# Altium PCB TFT_BORAD.PcbDoc
Units mil, origin at the board's own origin, x right, y up, seen from the top; angles counter-clockwise.
Board outline 3385.83 x 1409.45 mil, 2 copper layers (Top Layer, Bottom Layer), stack 57.918 mil thick; 35 components, 37 nets, 157 pads, 45 vias.
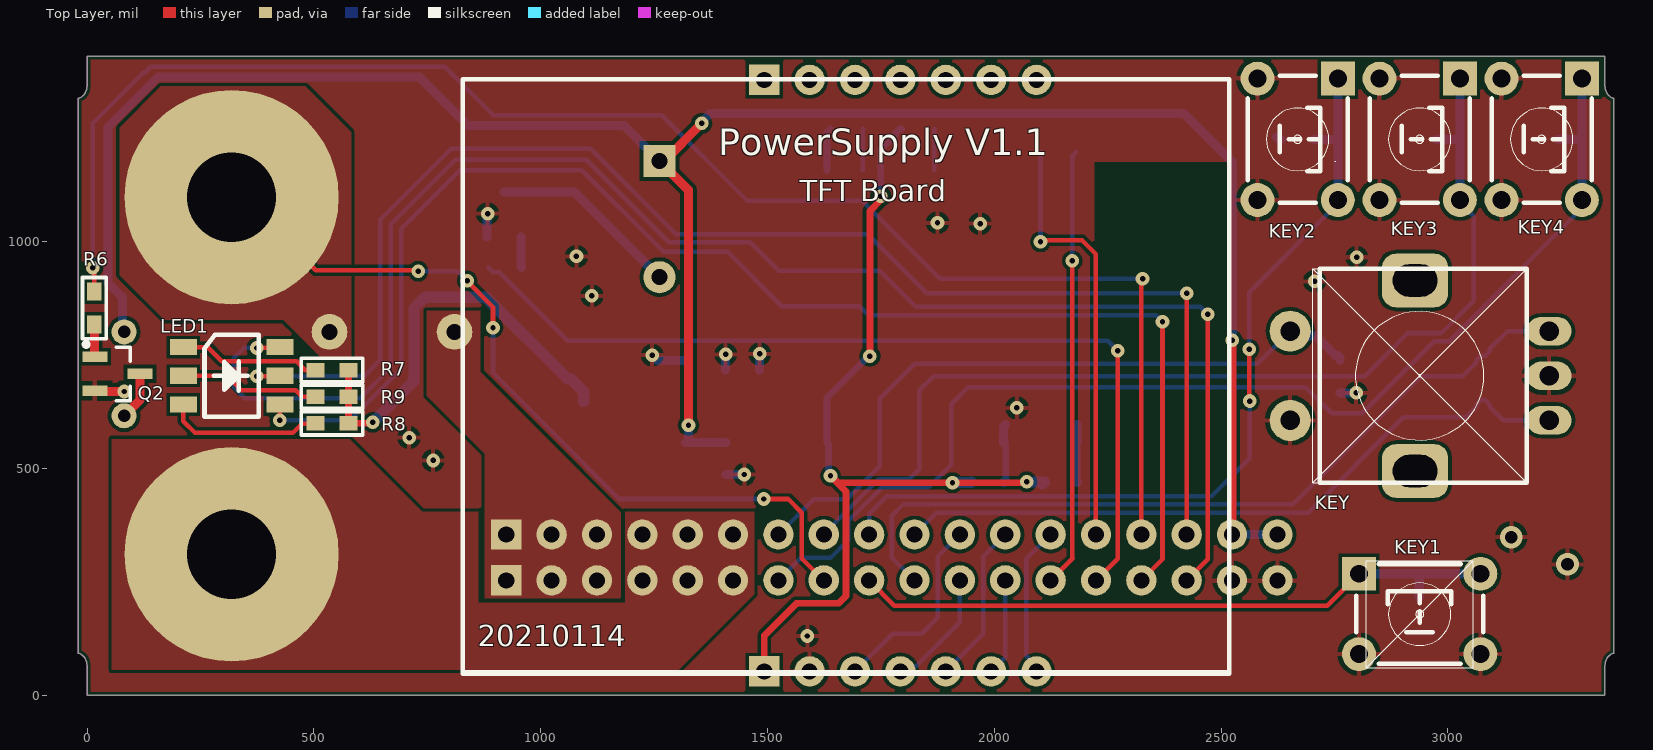
[diagram p0: Top Layer view]
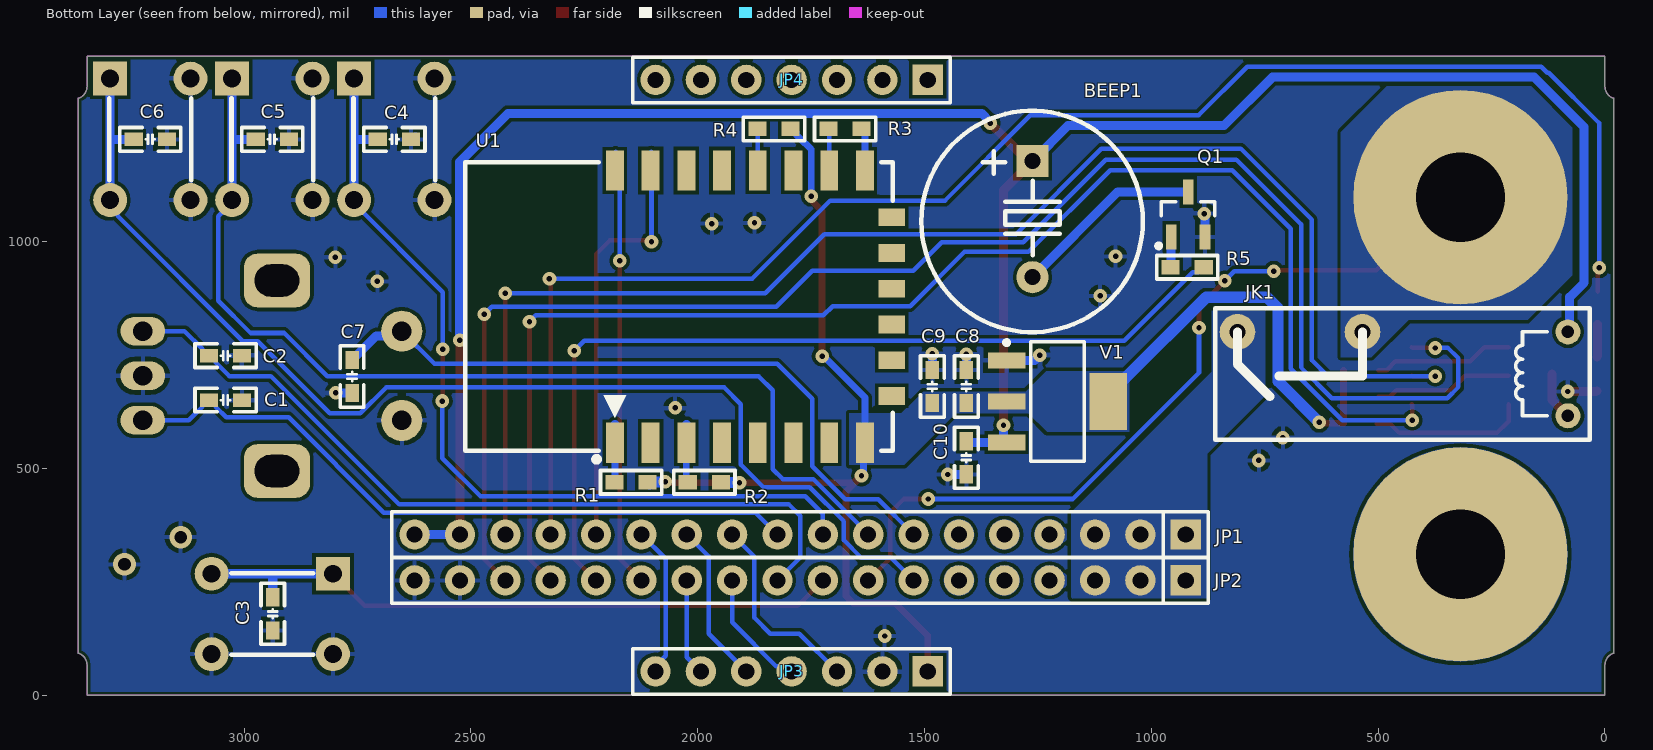
[diagram p1: Bottom Layer view, seen from below]

## Layer stack, top to bottom
Top Solder: solder mask 0.4, Solder Resist, Dk 3.5
Top Layer: signal copper 1.4
Dielectric 1: dielectric 55.1181, FR-4, Dk 4.8
Bottom Layer: signal copper 1.4
Bottom Solder: solder mask 0.4, Solder Resist, Dk 3.5

## Board outline
0,0 0,66.84 ccw(c-27.56,66.84) -19.69,93.25 -19.69,1316.19 ccw(c-27.56,1342.6) 0,1342.6 0,1409.45 3346.46,1409.45 3346.46,1342.6 ccw(c3374.02,1342.6) 3366.14,1316.19 3366.14,93.25 ccw(c3374.02,66.84) 3346.46,66.84 3346.46,0

## Design rules (kind name [scope] priority, off if disabled: settings)
Clearance [All] p1: gap=8 ignorepadtopadclearanceinfootprint=FALSE
ComponentClearance [All] p1 off: gap=10 collisioncheckmode=3 verticalgap=10 showdistances=FALSE
Height [All] p1 off: minheight=0 maxheight=1000 prefheight=500
HoleSize [All] p1 off: absolutevalues=TRUE maxlimit=100 minlimit=1 maxpercent=80.000 minpercent=20.000
HoleToHoleClearance [All] p1 off: gap=10 allowstackedmicrovias=TRUE
LayerPairs [All] p1 off: enforce=TRUE
MinimumSolderMaskSliver [All] p1 off: minsoldermaskwidth=10
NetAntennae [All] p1 off: netantennaetolerance=0
PolygonConnect BIGPAD [InNetClass('BIGPAD')] p1: connectstyle=Direct reliefconductorwidth=10 reliefentries=4 polygonreliefangle="90 Angle" airgapwidth=10
PolygonConnect [All] p2: connectstyle=Relief reliefconductorwidth=10 reliefentries=4 polygonreliefangle="90 Angle" airgapwidth=10
RoutingVias [All] p1: holewidth=12 width=30 viastyle="Through Hole" minholewidth=12 minwidth=30 maxholewidth=12 maxwidth=30
SilkToSilkClearance [All] p1 off: silktosilkclearance=10
SilkToSolderMaskClearance [IsPad] p1 off: minsilkscreentomaskgap=10 clearancetoexposedcopper=TRUE
SolderMaskExpansion [All] p1: expansion=4
Width [All] p1: maxlimit=300 minlimit=10 preferedwidth=15 minimp=50.000000 maximp=50.000000 favimp=50.000000
21 further rules are at their usual default settings.

## Classes and differential pairs
net class BIGPAD: 3V3 5V VGND VOUT_K VOUT_OUT

## Components (designator, comment, footprint, x,y, rotation, side; value= is the part's Value field where it differs from the comment)
BEEP1 "5V" "BEEP 6.5x12x8.5" 1262,1050 r0 bottom
C1 "104" "C 0603_M" 3041,651 r180 bottom
C2 "104" "C 0603_M" 3041,749 r180 bottom
C3 "104" "C 0603_M" 2937,180 r270 bottom
C4 "104" "C 0603_M" 2669,1226 r180 bottom
C5 "104" "C 0603_M" 2938,1226 r180 bottom
C6 "104" "C 0603_M" 3207,1226 r180 bottom
C7 "104" "C 0603_M" 2762,703 r270 bottom
C8 "104" "C 0603_M" 1408,681 r270 bottom
C9 "106" "C 0603_M" 1483,681 r270 bottom
C10 "104" "C 0603_M" 1408,524 r90 bottom
JK1 "HF46F/5-HS1" HF46-xx-HS1 444,709 r0 bottom locked
JP1 "HDR-1X18" HDR2.54-M-LI-18P 1774.26,354.67 r0 bottom locked
JP2 "HDR-1X18" HDR2.54-M-LI-18P 1774.26,253.67 r0 bottom locked
JP3 "HDR-1X7" HDR2.54-LI-7P 1793.08,53 r0 bottom locked
JP4 "HDR-1X7" HDR2.54-LI-7P 1793.08,1357 r0 bottom locked
KEY "EC11" EC11 2938,704.72 r0 top locked
KEY1 "6x6x5" "TSW DIP-6*6*10" 2938,179.72 r0 top locked
KEY2 "6x6x5" "TSW DIP-6*6*10" 2669,1226 r270 top locked
KEY3 "6x6x5" "TSW DIP-6*6*10" 2938,1226 r270 top locked
KEY4 "6x6x5" "TSW DIP-6*6*10" 3207,1226 r270 top locked
LED1 "LED-RGB" "LED 5050" 319,704.72 r0 top locked
Q1 "S8050" SOT23-3M 919,1011 r180 bottom
Q2 "S8050" SOT23-3M 18,709 r270 top
R1 "1K" "R 0603_M" 2147,470 r0 bottom
R2 "1K" "R 0603_M" 1985.5,470 r0 bottom
R3 "1K" "R 0603_M" 1675.2,1249 r180 bottom
R4 "1K" "R 0603_M" 1832,1249 r180 bottom
R5 "1K" "R 0603_M" 921,944 r180 bottom
R6 "1K" "R 0603_M" 16,854 r90 top
R7 "1K" "R 0603_M" 540,717 r0 top
R8 "1K" "R 0603_M" 540,600 r0 top
R9 "1K" "R 0603_M" 540,658.5 r0 top
U1 "ESP8266-12E" ESP_12E 2182.74,542.24 r90 bottom
V1 "AMS1117-3V3" SOT223_L 1207,648 r180 bottom

## Footprints (in the part's own frame and the unit in brackets; to place one, negate y for a bottom-side part, rotate by r counter-clockwise, add the part's x,y. Pads: shape width x height; smd on the part's side, far side on the other; paste and mask are expansions set on the pad)
"BEEP 6.5x12x8.5" [mm] "6.5*12*8.5mm(脚距,直径,高度)"
  rect 1.8x1.8 hole 0.9: 1(0,-3.25)
  round 1.8 hole 0.9: 2(0,3.25)
  silkscreen extent -6.18,-6.07 6.22,6.32, body extent -6,-6 6,6, height 8.55
"C 0603_M" [mil] "无极性贴片电容"
  rect 40x30 smd: 1(-36.5,0) 2(36.5,0)
  silkscreen extent -68,-26 68,26, body extent -31,-16 31,16, height 32
EC11 [mm] "数字开关编码器"
  rrect50% 3.7x3 hole 1.8 slot 2.5 at 0 deg: 0(-0.254,-5.334) 0(-0.254,5.334)
  round 2.3 hole 1.1: 1(-7.25,2.5) 2(-7.25,-2.5)
  oval 2.5x1.6 hole 1.1: A(7.25,-2.5) B(7.25,2.5) C(7.25,0)
  silkscreen extent -5.59,-6 6,6, body extent -7.35,-6.24 7.45,6.24, height 22
ESP_12E [mm] "ESP-12 Wi-Fi Module by AI-Thinker"
  rect 2.25x1 smd: 1(0.375,0) 2(0.375,-2) 3(0.375,-4) 4(0.375,-6) 5(0.375,-8) 6(0.375,-10) 7(0.375,-12) 8(0.375,-14) 15(15.625,-14) 16(15.625,-12) 17(15.625,-10) 18(15.625,-8) 19(15.625,-6) 20(15.625,-4) 21(15.625,-2) 22(15.625,0)
  rect 1x1.5 smd: 9(3,-15.5) 10(5,-15.5) 11(7,-15.5) 12(9,-15.5) 13(11,-15.5) 14(13,-15.5)
  silkscreen extent -0.7,-15.57 16.08,8.37, body extent 0,-15.49 16,8.51, height 2.75
HDR2.54-LI-7P [mm] "排针，8脚"
  rect 1.7x1.7 hole 0.9: 1(-7.62,0)
  round 1.7 hole 0.9: 2(-5.08,0) 3(-2.54,0) 4(0,0) 5(2.54,0) 6(5.08,0) 7(7.62,0)
  silkscreen extent -8.89,-1.27 8.89,1.27, body extent -8.89,-1.27 8.89,1.27, height 8.5
HDR2.54-M-LI-18P [mm] "排母，18脚"
  rect 1.7x1.7 hole 0.9: 1(-21.59,0)
  round 1.7 hole 0.9: 2(-19.05,0) 3(-16.51,0) 4(-13.97,0) 5(-11.43,0) 6(-8.89,0) 7(-6.35,0) 8(-3.81,0) 9(-1.27,0) 10(1.27,0) 11(3.81,0) 12(6.35,0) 13(8.89,0) 14(11.43,0) 15(13.97,0) 16(16.51,0) 17(19.05,0) 18(21.59,0)
  silkscreen extent -22.86,-1.27 22.86,1.27, body extent -22.86,-1.27 22.86,1.27, height 8.5
HF46-xx-HS1 [mm] "一组常开，长：20.5mm，宽：7mm，高：15.3mm"
  round 1.4 hole 0.7: 1(-9.2,2.35) 2(-9.2,-2.35)
  round 2 hole 0.9: 3(2.3,-2.35) 4(9.3,-2.35)
  silkscreen extent -10.41,-3.68 10.54,3.68, body extent -10.25,-3.5 10.25,3.5, height 15.3
"LED 5050" [mm] "白色5050LED"
  rect 1.5x0.9 smd: 1(-2.705,1.6) 2(2.705,1.6) 3(-2.705,0) 4(2.705,0) 5(-2.705,-1.6) 6(2.705,-1.6)
  silkscreen extent -1.52,-2.29 1.52,2.29, body extent -2.7,-2.5 2.7,2.5, height 1.65
"R 0603_M" [mil] "1/10W贴片电阻"
  rect 40x31.5 smd: 1(-36.5,0) 2(36.5,0)
  silkscreen extent -68,-26 68,26, body extent -31,-16 31,16, height 16
SOT23-3M [mm] "3x1.3x1mm(长宽高)"
  rect 0.6x1.4 smd: 1(-0.95,0) 2(0.95,0) 3(0,2.514)
  silkscreen extent -1.78,-0.63 1.5,1.97, body extent -1.5,0.07 1.5,2.47, height 1.05
SOT223_L [mm] "SOT223, 4-Leads, Body 6.5x3.5mm, Pitch 2.3mm, Lead Span 7mm, IPC High Density"
  rect 2.1x0.9 smd: 1(-2.85,2.3) 2(-2.85,0) 3(-2.85,-2.3)
  rect 2.1x3.2 smd: 4(2.85,0)
  silkscreen extent -2.98,-3.35 1.5,3.42, body extent -1.85,-3.35 1.85,3.35, height 1.7
"TSW DIP-6*6*10" [mm] "6*6*10mm"
  rect 1.9x1.9 hole 1: 1(-3.4,2.25)
  round 1.9 hole 1: 2(-3.4,-2.25) 3(3.4,-2.25) 4(3.4,2.25)
  silkscreen extent -3.56,-2.79 3.56,2.79, body extent -4.11,-3 4.11,3, height 9.95

## Part data
BEEP1: library part BEEP, "蜂鸣器"
C1 C2 C3 C4 C5 C6 C7 C8 C9 C10: library part C, "无极性贴片电容"
JK1: "5V一组常开"
JP1 JP2: library part "Header 18", "18P接插件", BOM名称=18, 学习资源=www.o
JP3 JP4: library part "Header 7", "7P接插件", BOM名称=7, 学习资源=www.o
KEY: "数字开关编码器"
KEY1 KEY2 KEY3 KEY4: library part "TSW DIP-6x6", "直插6x6轻触开关", BOM名称=ֱ, 学习资源=www.o
LED1: "三基色LED", 学习资源=www.o
Q1 Q2: library part 8050-SMD, "高频放大-NPN型", BOM名称=¸, 学习资源=www.o, 属性="40V 1.5A 1W 100"
R1 R2 R3 R4 R5 R6 R7 R8 R9: library part R, "贴片电阻"
U1: "串口 WIFI模块，ESP-12E", BOM名称=WIF, 学习资源=www.o
V1: library part AMS1117, "三端稳压芯片", 学习资源=www.o

## Free pads (board coordinates)
  round 472.44 hole 196.85 paste+0: 1(318.68,311.02) 1(318.68,1098.43)

## Via types
v1: diameter 30, hole 12, Top Layer to Bottom Layer, 43 vias
v2: diameter 50, hole 28, Top Layer to Bottom Layer, 2 vias

## Nets (pads, with @x,y where several pads share a name; then routed paths per layer and width w, separated by ;. In a path a pad name is that pad's centre, name@x,y a point inside that pad or via, vN(x,y) a via of type N, cw(c..) or ccw(c..) an arc to the next point about the centre after c; other vN are vias at no path point)
3V3: C8.2 C9.2 JP3.1 R1.1 R2.1 R4.2 R7.2 R8.2 R9.2 U1.8 V1.2 V1.4 | length 2899.1
  Top Layer w15: R7.2 R9.2 R8.2 628,600 v1(630,602) ; JP3.1 1493.08,132.08 1564,203 1657,203 1673,219 1673,233.16 1673.22,233.39 1673.22,449.78 v1(1639,484) 1640.29,484 1655.29,469 v1(1908,469) 2070,469 v1(2072,471) ; v1(1726,748) 1726,1068 1749.67,1091.67 v1(1749.67,1100.26)
  Bottom Layer w15: v1(1639,484) 1639,488.06 1634.61,492.45 1634.61,553.95 U1.8 1631.56,656.56 1723,748 v1(1726,748) ; v1@1750,1095 1750,1204.25 1762.93,1217.19 1763.69,1217.19 1783,1236.5 1783,1240.75 1791.25,1249 R4.2
  Bottom Layer w25: v1(630,602) 721,693 721,854 745,878 879,878 1058.51,698.49 1065.96,698.49 1094.8,669.65 V1.4 ; v1(1908,469) 1908.5,469.5 1948.5,469.5 R2.1 ; v1(2072,471) 2072.5,470.5 2110,470.5 R1.1 2109.11,470 R1.1@2105.86,466.75
5V: BEEP1.1 C10.2 JK1.2 JP1.17 JP1.18 V1.3 | length 4818.4
  Top Layer w20: v1(1326,596) 1326,1113.95 BEEP1.1 1271.95,1177.95 v1(1355,1261) ; JP1.17 2524.26,782.26 v1(2525,783)
  Bottom Layer w20: JK1.2 78,805.32 78,878 46,910 46,1253 156,1363 733,1363 840,1256 1183.95,1256 BEEP1.1 ; v1(1326,596) 1326,564.24 V1.3 C10.2@1409,557.45 ; v1(1355,1261) 1355,1264 1374,1283 2418,1283 2525,1176 v1(2525,783) ; JP1.17 JP1.18
BEEP: JP2.14 R5.2 | length 1989.8
  Top Layer w10: JP2.14 2272,301.41 v1(2272,760)
  Bottom Layer w10: R5.2 895.25,933.25 908.75,933.25 1060,782 2250,782 v1(2272,760)
ENC_A: C1.1 JP1.10 KEY.A | length 1546.3
  Bottom Layer w10: JP1.10 1872.59,403 2692,403 2902,613 3039.5,613 3062.5,636 3062.5,641 3072.5,651 C1.1 3082.5,651 3092.5,641 3092.5,636 3122.2,606.3 KEY.A
ENC_B: C2.1 JP2.10 KEY.B | length 1787.1
  Bottom Layer w10: JP2.10 1774,303.93 1774,396 1799,421 2658,421 2941,704 3032.5,704 3062.5,734 3062.5,739 3072.5,749 C2.1 3082.5,749 3092.5,759 3092.5,764 3131.65,803.15 KEY.B
ENC_KEY: C7.1 JP1.7 KEY.1 | length 1540.1
  Bottom Layer w10: JP1.7 1601.8,432.2 1675.2,432.2 1748,505 1748,654 1825,731 2580.42,731 KEY.1
  Bottom Layer w20: KEY.1 2662.9,792.81 2708.69,792.81 2752,749.5 2757,749.5 2762,744.5 C7.1
GND: C1.2 C2.2 C3.2 C4.2 C5.2 C6.2 C7.2 C8.1 C9.1 C10.1 JP2.17 JP2.18 JP3.2 KEY1.2 KEY1.3 KEY2.2 KEY2.3 KEY3.2 KEY3.3 KEY4.2 KEY4.3 KEY.2 KEY.C Q1.2 Q2.2 V1.1 | length 376.1
  Top Layer w20: Q2.2 19.6,670 v1(82,670)
  Bottom Layer w20: Q1.2 881.6,1060.6 v1(883,1062) ; v1(1246,750) 1257.45,738.55 V1.1 ; C8.1 v1(1408,752) ; C10.1@1409,487.5 1409.25,487.25 1448.75,487.25 v1(1449,487) ; C9.1 v1(1483,753) ; KEY2.2 KEY2.2@2584.19,1356.09 ; C4.2@2622.5,1231 2627.5,1226 C4.2 ; C7.2 2762.25,666.75 2797.75,666.75 v1(2798,667) ; KEY3.2 KEY3.2@2854.94,1354.34 ; KEY4.2 KEY4.2@3125.69,1352.59
  other v1: 1588,131 763,518 710,568.22 2050,634 1113,881 2706.42,913 2799.14,966 1079,968 1969,1040 1874.93,1042
  other v2: 3264,289 3140,349
KEY1: C3.1 JP2.9 KEY1.1 KEY1.4 | length 1452.4
  Top Layer w10: JP2.9 1779.93,198 2733.84,198 KEY1.1
  Bottom Layer w20: KEY1.1 2935,268.3 ; C3.1 2937,266.3 2935,268.3 ; KEY1.4 2935,268.3
KEY2: C4.1 JP1.9 KEY2.1 KEY2.4 | length 1906
  Top Layer w10: v1(2562,763) 2562,650 v1(2563,649)
  Bottom Layer w10: JP1.9 1724.26,400.26 1763,439 2479,439 2563,523 v1(2563,649) ; v1(2562,763) 2562,889 2757.58,1084.58 KEY2.4
  Bottom Layer w20: C4.1 2756.58,1226 2757.58,1225 ; KEY2.4 2757.58,1225 ; KEY2.1 2757.58,1225
KEY3: C5.1 JP1.8 KEY3.1 KEY3.4 | length 2300.2
  Bottom Layer w10: JP1.8@1624.26,363.72 1632.17,363.72 1745.46,477 1813,477 1835,499 1835,673 1866,704 2817,704 2912,799 2986,799 3057,870 3057,1056.74 3026.58,1087.15 KEY3.4
  Bottom Layer w20: C5.1 3023.58,1226 3026.58,1223 ; KEY3.4 3026.58,1223 ; KEY3.1 3026.58,1223
KEY4: C6.1 JP2.7 KEY4.1 KEY4.4 | length 2599.5
  Bottom Layer w10: JP2.7 1574.59,304 1640,304 1677.8,341.8 1677.8,383.88 1752.91,459 1855,459 1905,509 1905,642 1942,679 2687,679 2744,622 2811,622 2970,781 3003,781 3277.81,1055.81 3277.81,1056.83 3295.58,1074.61 KEY4.4
  Bottom Layer w20: C6.1 3294.58,1226 3295.58,1225 ; KEY4.4 3295.58,1225 ; KEY4.1 3295.58,1225
LED_B: JP2.15 LED1.6 | length 3117.9
  Top Layer w10: v1(425,607) 425,641.22 LED1.6 ; JP2.15 2371,300.41 v1(2371,824)
  Bottom Layer w10: v1(425,607) 579.46,607 693,720.54 693,1029 822,1158 1091,1158 1271,978 1412,978 1531.74,858.26 1702.74,858.26 1723,838 2357,838 v1(2371,824)
LED_G: JP1.16 LED1.4 | length 3167.7
  Top Layer w10: v1(374,704) 424.78,704 LED1.4 ; JP1.16 v1(2424.26,886.26)
  Bottom Layer w10: v1(374,704) 611,704 646,739 646,1048.47 802.53,1205 1110.47,1205 1298.47,1017 1721,1017 1851,887 2423.52,887 v1(2424.26,886.26) ; JP1.16@2422,367 2422,356.93 JP1.16
LED_R: JP2.16 LED1.2 | length 3484.3
  Top Layer w10: v1(374,766) 423.78,766 LED1.2 ; JP2.16 2470.72,300.13 v1(2470.72,840.28)
  Bottom Layer w10: v1(374,766) 373,767 347,767 323,743 323,680 348,655 602,655 670,723 670,1038.53 812.47,1181 1100.53,1181 1282.53,999 1462,999 1525,936 1748,936 1827.17,856.83 2454.17,856.83 v1(2470.72,840.28)
NetBEEP1_2: BEEP1.2 Q1.3 | length 420.8
  Bottom Layer w20: Q1.3 1074.07,1109.97 BEEP1.2
NetJK1_1: JK1.1 Q2.3 | length 107.1
  Top Layer w20: JK1.1 116.97,651.66 Q2.3
NetLED1_1: LED1.1 R7.1 | length 308.1
  Top Layer w10: LED1.1 266.28,767.72 296.99,737.01 462,737.01 462,736.4 481.4,717 R7.1@499.25,717
NetLED1_2: LED1.5 R8.1 | length 347.5
  Top Layer w10: LED1.5 212.5,604.5 238,579 454,579 474.36,599.36 502.86,599.36 R8.1
NetLED1_3: LED1.3 R9.1 | length 305.9
  Top Layer w10: LED1.3 308.28,704.72 340.56,672.44 460.41,672.44 474.35,658.5 R9.1@499.25,658.5
NetQ1_1: Q1.1 R5.1 | length 67.5
  Bottom Layer w20: Q1.1 956.4,945.1 R5.1
NetQ2_1: Q2.1 R6.1 | length 72
  Top Layer w20: R6.1 16,748.21 17.81,746.4 Q2.1
NetR1_2: R1.2 U1.1 | length 127.4
  Bottom Layer w15: R1.2@2182.74,470.76 U1.1
  Bottom Layer w20: U1.1@2182.5,557 2182.5,596.8 U1.1@2182.7,597 ; R1.2@2182.74,470.76 R1.2
NetR2_2: R2.2 U1.3 | length 130.5
  Bottom Layer w15: R2.2@2025.26,473.26 U1.3
  Bottom Layer w20: U1.3@2020,557 2020,591.78 U1.3@2025.22,597 ; R2.2 R2.2@2025.26,473.26
NetR3_1: R3.1 U1.16 | length 92.2
  Bottom Layer w10: U1.16 1710.3,1247.59 R3.1
NetR3_2: R3.2 U1.15 | length 94.6
  Bottom Layer w15: U1.15 1631.56,1241.85 R3.2
NetR4_1: R4.1 U1.18 | length 91.9
  Bottom Layer w10: U1.18 1867.78,1248.28 R4.1
RELAY_EN: JP1.15 R6.2 | length 3497
  Top Layer w10: v1(13,943) 16,940 R6.2 ; JP1.15 2324.26,916.26 v1(2327,919)
  Bottom Layer w10: v1(13,943) 13,1262 124,1373 127.62,1373 140.62,1386 789,1386 896,1279 1267,1279 1455,1091 1708,1091 1880,919 v1(2327,919)
SPI1_MOSI: JP1.11 JP3.3 | length 434.9
  Bottom Layer w10: JP3.3 1776.08,136 1840,136 1875,171 1875,305.41 JP1.11
SPI1_SCK: JP1.12 JP3.5 | length 356
  Bottom Layer w10: JP3.5 1976,135.92 1976,306.41 JP1.12
TFT_BLK: JP2.11 JP3.4 | length 268.4
  Bottom Layer w10: JP3.4 1803.97,63.89 1826.89,63.89 1924.26,161.26 JP2.11
TFT_DC: JP1.13 JP3.7 | length 332.9
  Bottom Layer w10: JP3.7 2093.08,65.24 2071,87.32 2071,301.41 JP1.13
TFT_RES: JP2.12 JP3.6 | length 213.6
  Bottom Layer w10: JP3.6 2024.26,84.18 JP2.12
U3_RX: JP2.13 U1.22 | length 971.6
  Top Layer w10: JP2.13 2173,302.41 2172,303.41 v1(2172,958)
  Bottom Layer w10: v1(2172,958) 2172,1183.07 2174,1185.07 2171,1188.07 U1.22@2181.24,1198.31
U3_TX: JP1.14 U1.21 | length 954.7
  Top Layer w10: v1(2102,1000) 2105,1003 2194,1003 2224.26,972.74 JP1.14
  Bottom Layer w10: v1(2102,1000) 2102,1192.8 2105,1195.8 U1.21@2102.5,1198.31
VGND: JP1.4 JP1.5 JP1.6 JP2.4 JP2.5 JP2.6 pad.1@318.68,311.02
VOUT_K: JK1.4 JP1.1 JP1.2 JP1.3 JP2.1 JP2.2 JP2.3
VOUT_OUT: JK1.3 JP2.8 pad.1@318.68,1098.43 | length 1806.2
  Top Layer w10: pad.1@318.68,1098.43 342.83,1098.43 504.25,937 733,937 731,935 v1(730,935) ; v1(838,914) 838,913 895,856 v1(895,811) ; v1(1492,433) 1546,433 1576,403 1576,301.93 JP2.8
  Bottom Layer w10: v1(730,935) 817,935 v1(838,914) ; v1(895,811) 895,711 1173,433 v1(1492,433)
pads on no net: JP4.1 JP4.2 JP4.3 JP4.4 JP4.5 JP4.6 JP4.7 KEY.0 U1.2 U1.4 U1.5 U1.6 U1.7 U1.9 U1.10 U1.11 U1.12 U1.13 U1.14 U1.17 U1.19 U1.20

## Polygon pours and split planes (outlines as drawn)
VOUT_OUT on Top Layer "Top Layer-VOUT" (solid, pour order 36): 162.6,1342.6 72,1252 72,926 170,828 433,828 515,746 582,746 582,1242 481.4,1342.6
GND on Top Layer "Top Layer-No Net1" (solid, remove dead copper, pour order 51): 0,0 0,66.84 ccw(c-27.56,66.84) -19.69,93.25 -19.69,1316.19 ccw(c-27.56,1342.6) 0,1342.6 0,1409.45 3346.46,1409.45 3346.46,1342.6 ccw(c3374.02,1342.6) 3366.14,1316.19 3366.14,93.25 ccw(c3374.02,66.84) 3346.46,66.84 3346.46,0
VGND on Top Layer "Bottom Layer-VGND" (solid, pour order 40): 55,565 55,56.62 1304.62,56.62 1471,223 1471,405 1187,405 1187,204 862,204 862,405 739,405 579,565
VOUT_K on Top Layer "Bottom Layer-VOUT_K" (solid, pour order 34): 877,214 877,532.45 749,660.45 749,848 867,848 867,714 1003,578 1177,404 1177,213
VGND on Bottom Layer "Bottom Layer-VGND" (solid, pour order 56): 55,565 55,56.62 1304.62,56.62 1471,223 1471,405 1187,405 1187,204 862,204 862,405 739,405 579,565
GND on Bottom Layer "Top Layer-No Net" (solid, remove dead copper, pour order 50): 0,0 0,66.84 ccw(c-27.56,66.84) -19.69,93.25 -19.69,1316.19 ccw(c-27.56,1342.6) 0,1342.6 0,1409.45 3346.46,1409.45 3346.46,1342.6 ccw(c3374.02,1342.6) 3366.14,1316.19 3366.14,93.25 ccw(c3374.02,66.84) 3346.46,66.84 3346.46,0
3V3 on Bottom Layer "Bottom Layer-3V3" (solid, pour order 30): 1049,715 1049,581 1230,581 1271,622 1431,622 1545,508 1666,508 1666,622 1551,622 1503,670 1365,670 1277,670 1232,715
VOUT_OUT on Bottom Layer "Top Layer-VOUT" (solid, pour order 24): 162.6,1342.6 72,1252 72,926 170,828 433,828 515,746 582,746 582,1242 481.4,1342.6
VOUT_K on Bottom Layer "Bottom Layer-VOUT_K" (solid, pour order 38): 877,214 877,532.45 749,660.45 749,848 867,848 867,714 1003,578 1177,404 1177,213

## Keep-outs
Keep-Out Layer:
  the board outline again, w0.5

## Other copper
Top Layer:
  pour cut-out: 2218,1177 2220,1175 2220,538 2511.91,538 2512.91,537 2513.44,537.52 2513.44,1177
Bottom Layer:
  pour cut-out: 2218,1177 2220,1175 2220,538 2511.91,538 2512.91,537 2513.44,537.52 2513.44,1177

## Silkscreen, mask and mechanical layers (free items; w line width, h text height)
Top Overlay:
  circle w0.5: c2668.88,1226 r68.9
  circle w0.5: c2669,1226 r9.02
  circle w0.5: c3207,1226 r9.02
  circle w0.5: c2938,1226 r9.02
  circle w0.5: c2938.12,179 r9.02
  circle w0.5: c2938,704.72 r2.56
  circle w0.5: c2938,1226 r68.9
  circle w0.5: c3207,1226 r68.9
  circle w0.25: c2751.97,1177.17 r0.12
  circle w0.5: c2938,704.72 r141.73
  circle w0.5: c2938,704.72 r141.73
  circle w0.5: c2938,179 r68.9
  circle w0.5: c2938,179 r68.9
  circle w0.25: c2938,179 r0.12
  lines w0.5: 2701.78,468.5 3174.22,940.94 ; 2701.78,468.5 3174.22,468.5 ; 2701.78,468.5 2701.78,940.94 ; 2701.78,940.94 3174.22,468.5 ; 2701.78,940.94 3174.22,940.94 ; 2819.89,60.89 3056.11,297.11 ; 2819.89,60.89 3056.11,60.89 3056.11,297.11 ; 2819.89,60.89 2819.89,297.11 3056.11,297.11 ; 3174.22,468.5 3174.22,940.94
  lines w10: 828.74,1358.27 2517.72,1358.27 ; 828.74,1358.27 2517.72,1358.27 ; 828.74,1358.27 828.74,48 2517.72,48 2517.72,1358.27 ; 828.74,1358.27 828.74,51.18 2517.72,51.18 2517.72,1358.27
  text "PowerSupply V1.1" at 1392,1171 h100
  text "TFT Board" at 1571,1074 h80
  text "20210114" at 861,93 h80
Top Solder:
  lines w80: 237.65,1098.43 318.68,1098.43 534.55,882.56 534.55,801.52 ; 318.68,311.02 518.71,111 1198,111 1324.26,237.26 1324.26,354.67 ; 810.14,801.52 810.14,681.86 1021,471 ; 1024.26,253.67 1024.26,467.74
  lines w100: 332,1092 367.07,1092
Bottom Solder:
  lines w80: 318.68,1098.43 534.55,882.56 534.55,801.52 ; 319.68,312.02 519.71,112 1199,112 1325.26,238.26 1325.26,355.67 ; 810.14,801.52 810.14,681.86 1021,471 ; 1024.26,253.67 1024.26,467.74
Mechanical 1:
  circle w1.97: c319,704.72 r26.53
  circle w1.97: c924.26,253.67 r46.7
  circle w1.97: c924.26,354.67 r41.74
  lines w5: -19.69,93.25 cw(c-27.56,66.84) 0,66.84 0,0 3346.46,0 3346.46,66.84 cw(c3374.02,66.84) 3366.14,93.25 3366.14,1316.19 cw(c3374.02,1342.6) 3346.46,1342.6 3346.46,1409.45 0,1409.45 0,1342.6 cw(c-27.56,1342.6) -19.69,1316.19 -19.69,93.25

## Text inside footprints (layer, text, board x,y; h text height)
U1: Mechanical 13 "CUTOUT POLYGON" at 2472.74,547.24 h10 r270; Mechanical 13 "ANTENNA AREA" at 2492.74,547.24 h10 r270